# Allegro board 1156197-TDI_VU3P_QSFP28_CXP_V001_1023A-166-20241121_1644_PCB.brd (continued)
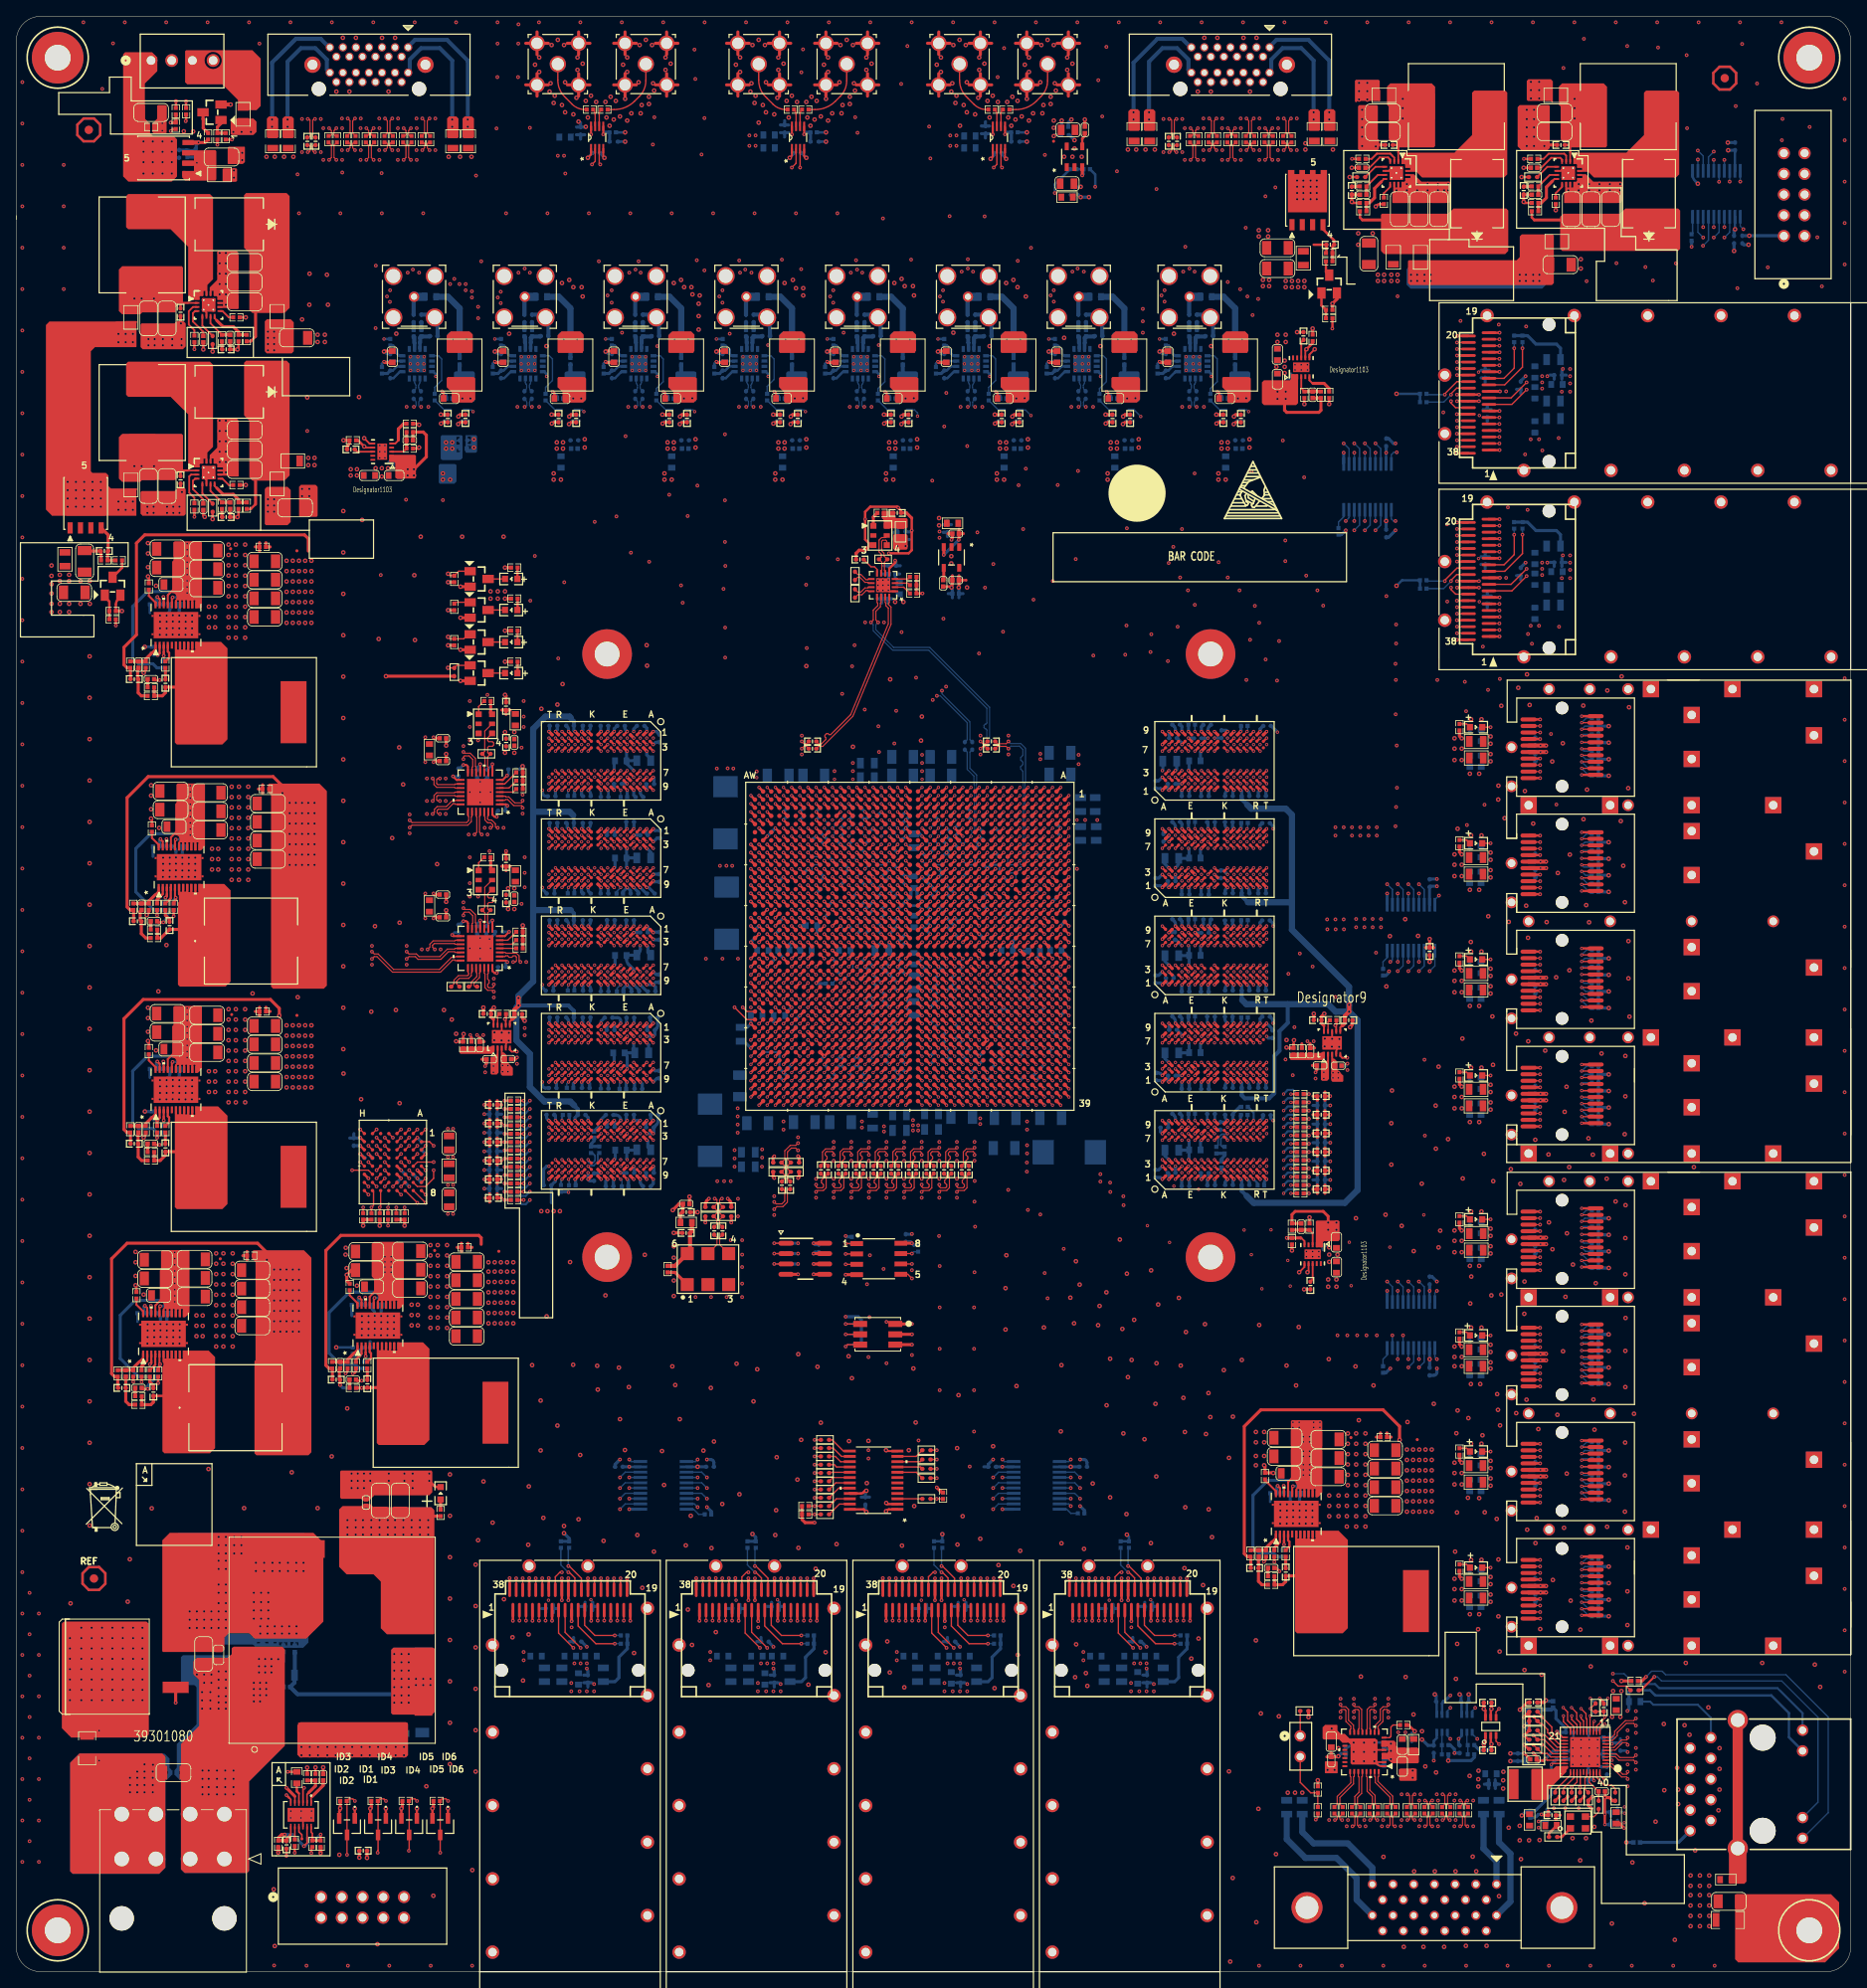
[diagram p0: board, top side]
## Routing (per net, layer and track width the routed paths; a pad name or vN(x,y) marks a point on that pad's centre or on a via; arc(x,y) is an arc through that point) (continued)
GND_EARTH: length 18.2
  BOTTOM w0.495: 46.91,34.06 34.49,34.06 C798.2 34.12,35.48 R427.1 34.16,36.44 C787.1
  vias: v2(46.35,38.99) v2(46.35,37.97) v2(46.35,36.96) v2(46.35,35.94) v2(46.35,34.92) v2(46.35,33.91) v2(46.35,33.02) v2(47.24,38.99) v2(47.24,37.97) v2(47.24,36.96) v2(47.24,35.94) v2(47.24,34.92) v2(47.24,33.91) v2(47.24,33.02) v2(48.13,38.99) v2(48.13,37.97) v2(48.13,36.96) v2(48.13,35.94) v2(48.13,34.92) v2(48.13,33.91) v2(48.13,33.02) v2(49.02,35.94) v2(49.02,35.18) v2(49.91,35.94) v2(49.91,35.18) v2(50.8,35.94) v2(50.8,35.18)
GND_FPGA_LAN: length 15.7
  TOP w1.27: J25.17 J25.18
VCC1V8: length 197.6
  TOP w0.229: U49.6 43.32,187.56 v2(42.67,188.21) ; v2(119.51,222.5) 119.77,222.77 U66.1 ; U51.6 158.61,198.49 v2(159.26,199.14) ; U64.1 95.14,222.9 v2(94.87,222.63) ; v2(70.1,222.63) 70.5,223.02 U65.1
  TOP w0.305: D4.2 39.61,19.67 39.73,19.79 v2(39.73,20.07) ; U1.AJ30 v1(100.1,115.36) ; U1.W9 v1(111.1,137.36) ; U1.D27 v1(126.1,118.36) ; U1.AV23 91.1,123.36 v1(91.1,123.36) ; U1.AR22 94.1,124.36 v1(94.1,124.36) ; v1(90.1,116.36) 90.1,116.36 U1.AW30 ; 185.57,31.9 R324.2 R322.2 v1(184.95,29) 185.47,28.48 R320.2 ; C589.1 108.78,190.17 v2(108.56,189.95) ; C540.1 54.43,190.17 v2(54.21,189.95) ; C609.1 135.96,190.17 v2(135.74,189.95) ; U1.N30 v1(117.1,115.36) ; U1.AA9 v1(108.1,136.36) ; U1.F31 v1(124.1,114.36) ; v2(180,32.26) 180.2,32.06 U41.6 ; C563.1 95.2,190.17 v2(94.97,189.95) ; v2(81.39,189.95) 81.61,190.17 C564.1 ; C610.1 149.55,190.17 v2(149.33,189.95) ; U1.AH23 v1(101.1,122.36) ; C538.1 68.02,190.17 v2(67.8,189.95) ; U1.A26 v1(129.1,119.36) ; U1.AR32 v1(94.1,113.36) ; v2(122.15,189.95) 122.37,190.17 C585.1 ; U1.P27 v1(116.1,118.36) ; U1.K29 v1(120.1,116.36) ; U1.L26 v1(119.1,119.36) ; U1.H25 v1(122.1,120.36) ; v2(104.27,56.44) 103.96,56.75 U63.24 ; C460.1 v2(173.35,123.95) ; D2.2 v2(47.23,20.03) ; U1.B23 v1(128.1,122.36) ; U1.AL24 v1(98.1,121.36) ; U1.C30 v1(127.1,115.36) ; U1.AP25 v1(96.1,121.36) ; U1.AN28 v1(96.1,117.36) ; U1.AG26 v1(102.1,119.36) ; v1(100.1,118.36) 100.1,118.36 U1.AK27 ; U1.AF29 v1(103.1,116.36) ; U1.AT29 v1(93.1,116.36) ; D3.2 v2(43.42,20.03) ; D1.2 v2(51.04,20.03) ; U1.E24 v1(125.1,121.36) ; U1.AF8 v1(103.1,138.36) ; R368.2 v1(17.4,72.24) ; U1.J32 v1(121.1,113.36) ; U1.G28 v1(123.1,117.36)
  TOP w0.381: v2(30.73,87.38) 30.73,88.27 29.59,89.41 13.59,89.41 11.68,87.5 11.68,73.41 12.06,73.03 R358.2 12.45,71.69 C685.2 ; R20.2 51.16,20.15 v2(51.04,20.03) ; R28.1 R26.1 v2(42.55,91.57) ; v1(112.9,59.44) 113.52,58.82 R500.1 ; R18.2 43.54,20.15 v2(43.42,20.03) ; v1(184.91,31.24) 185.57,31.9 R326.2 ; R38.1 v1(87.69,91.95) ; R27.1 R24.1 v2(47.62,91.57) ; R34.1 v2(158.5,31.24) ; U6.8 v1(97.79,89.41) ; C627.1 v2(180,32.26) ; C7.1 v2(42.08,14.01) ; v1(95.89,97.41) 96.01,97.54 R43.2 ; v1(97.92,55.12) 96.75,55.12 96.37,55.5 R498.1 R499.1 ; R19.2 47.35,20.15 v2(47.23,20.03) ; R25.1 v2(44.58,91.57) ; U1.AM31 v1(97.1,115.36) ; R47.2 92.84,97.54 v1(92.96,97.41) ; U2.8 v1(109.86,89.41) ; R10.1 v2(45.34,159) ; U1.AU26 v1(92.1,120.36) ; U1.M23 v1(117.1,123.36) ; R39.1 v1(84.52,91.95) ; R17.2 v2(39.73,20.07)
  POWER10 w0.305: 102.62,116.84 103.1,116.36 v1(103.1,116.36)
  BOTTOM w0.305: v2(129.34,61.98) 129.33,61.97 U23.2 ; v2(67.8,189.95) 68.22,190.37 U25.6 ; U28.6 81.81,190.37 v2(81.39,189.95) ; C920.1 177.28,33.07 U69.1 ; v2(210.82,213.87) 210.81,213.88 U4.2 ; v2(108.56,189.95) 108.99,190.37 U32.6 ; C922.1 174.23,33.07 U70.1 ; U20.2 173.34,123.96 v2(173.35,123.95) ; C884.1 95.29,223.05 v2(94.87,222.63) ; v2(83.57,61.98) 83.56,61.97 U22.2 ; R549.1 v2(99.31,224.61) ; U24.6 54.63,190.37 v2(54.21,189.95) ; v2(122.15,189.95) 122.58,190.37 U33.6 ; U36.6 149.75,190.37 v2(149.33,189.95) ; R557.1 v2(123.95,224.61) ; v2(94.97,189.95) 95.4,190.37 U29.6 ; U37.6 136.17,190.37 v2(135.74,189.95) ; v2(119.51,222.5) 119.93,222.92 C888.1 ; v2(70.1,222.63) 70.1,222.67 C886.1 ; R311.2 v3(193.07,33.56) ; 73.79,224.61 v2(74.68,224.61)
  BOTTOM w0.356: U19.2 173.34,75.19 v2(173.35,75.18) ; U21.2 168.01,178.06 v2(168.02,178.05)
  BOTTOM w0.381: v2(183.26,25.85) C628.1 185.16,25.85 L64.1 ; v1(98.1,121.36) 98.17,121.28 R45.1 ; R244.1 162.54,176.38 v1(163.07,176.91) ; v1(126.1,118.36) 125.6,117.86 C23.1 ; C1.1 100.6,122.86 v1(101.1,122.36) ; v1(101.73,80.39) 103.27,80.39 103.65,80.01 R55.1 R56.1 R57.1 ; C33.1 93.43,125.03 v1(94.1,124.36) ; C6.1 124.6,120.86 v1(125.1,121.36) ; v1(117.1,115.36) 116.6,114.86 C10.1 ; C9.1 90.1,116.36 v1(90.1,116.36) 89.66,115.91 C8.1 ; C24.1 92.9,116.56 v1(93.1,116.36) ; C34.1 v1(96.1,117.36) ; R222.1 168,122.28 168.38,122.66 v1(168.38,122.78) ; C21.1 127.6,121.86 v1(128.1,122.36) ; R253.1 85.24,56.49 v1(84.71,57.02) ; C518.1 v2(129.34,61.98) ; R603.1 175.66,25.93 v2(175.64,25.91) 178.44,25.91 178.84,26.31 R601.1 ; R13.1 117.62,138.84 v1(118.1,138.36) 117.62,137.87 R11.1 ; C922.1 174.16,33.87 v2(173.99,34.04) ; v1(114.1,137.36) 114.58,136.87 R15.1 ; v1(114.1,137.36) R5.1 ; v1(114.1,137.36) 113.59,136.84 R2.1 ; v2(177.04,34.04) 177.2,33.87 C920.1 ; v1(123.1,117.36) U1.G28 C30.1 ; R53.1 v1(95.89,88.14) ; R32.1 v1(205.49,211.71) ; v2(104.27,56.44) 104.14,56.57 C878.1 ; v2(173.35,75.18) C436.1 ; R54.1 v1(95.89,86.87) ; C31.1 123.6,113.86 v1(124.1,114.36) ; C11.1 120.6,112.86 v1(121.1,113.36) ; R262.1 131.01,56.62 v1(130.48,57.15) ; v1(127.1,115.36) 127.6,114.86 C35.1 ; C25.1 210.69,213.74 v2(210.82,213.87) ; v1(168.53,74.04) 168,73.51 R188.1 ; R52.1 v1(95.89,89.41) ; v1(122.1,120.36) U1.H25 C29.1 ; R3.1 v1(111.1,137.36) ; C500.1 v2(83.57,61.98) ; R23.1 110.09,89.17 v1(109.86,89.41) 109.69,89.57 C12.1 ; v1(97.79,89.41) 97.96,89.24 C43.1 ; v2(168.02,178.05) C482.1 ; C22.1 120.6,115.86 v1(120.1,116.36) ; v1(101.73,90.3) 101.83,90.19 R22.1
  vias: v1(52.94,96.56) v1(53.57,96.56) v1(91.48,100.93) v1(91.48,99.93) v1(91.46,98.81) v1(106.43,103.76) v1(106.43,103.12) v2(31.62,86.18) v2(31.62,84.91) v2(31.62,83.64) v2(31.62,82.37) v2(31.62,81.1) v2(31.62,79.83) v2(31.62,78.56) v2(32.38,86.18) v2(32.38,84.91) v2(32.38,83.64) v2(32.38,82.37) v2(32.38,81.1) v2(32.38,79.83) v2(32.38,78.56) v2(33.15,86.18) v2(33.15,84.91) v2(33.15,83.64) v2(33.15,82.37) v2(33.15,81.1) v2(33.15,79.83) v2(33.15,78.56) v2(33.91,86.18) v2(33.91,84.91) v2(33.91,83.64) v2(33.91,82.37) v2(33.91,81.1) v2(33.91,79.83) v2(33.91,78.56) v2(34.67,86.18) v2(34.67,84.91) v2(34.67,83.64) v2(34.67,82.37) v2(34.67,81.1) v2(34.67,79.83) v2(34.67,78.56) v2(41.02,184.4) v2(41.02,183.64) v2(41.78,184.4) v2(41.78,183.64) v2(154.69,200.91) v2(154.69,200.03) v2(155.7,200.91) v2(155.7,200.03)
VCC3V3: length 319
  TOP w0.229: U50.7 158.5,85.99 v2(158.37,85.85) ; U50.6 158,86.5 v2(157.35,85.85)
  TOP w0.305: R312.2 v1(189.26,21.49) ; C860.1 51.31,132.21 v1(51.18,132.33) ; v1(18.95,225.91) 19.18,226.14 19.53,226.14 R586.1 ; R329.2 v1(192.3,21.49) ; C871.1 51.31,151.38 v1(51.18,151.51) ; v2(180,27.94) 180.2,28.14 U41.1 ; R578.1 170.76,30.28 v2(171.53,29.51) ; R328.2 v1(190.27,21.49)
  TOP w0.381: v2(177.29,122.88) 177.02,123.16 R241.2 ; v2(177.29,108.63) 177.02,108.91 R240.2 ; C626.2 v2(180,27.94) ; R203.2 177.02,48.5 v2(177.29,48.23) ; R242.2 177.02,137.41 v2(177.29,137.13) ; v2(177.29,62.48) 177.02,62.75 R204.2 ; 168.12,66.12 R380.1 168.63,65.62 ; v2(177.29,151.38) 177.02,151.66 R243.2 ; L70.1 196.65,18.18 v3(197.21,17.63) ; R205.2 177.02,77 v2(177.29,76.73) ; R50.1 v2(59.94,164.59) ; L4.2 81.47,92.99 C41.1 81.77,93.29 C42.1 81.28,94.23 v2(80.52,93.47) ; R206.2 177.02,91.25 v2(177.29,90.98) ; R51.1 v2(59.94,172.34) ; R330.1 v2(196.88,35.69) ; R406.1 v2(59.94,168.53) ; v2(169.67,65.28) 169.67,66.93 167.64,68.96 152.65,68.96 150.62,66.93 150.62,51.31 151,50.93 R370.2 151.42,50.89 C700.2 ; R7.1 v2(59.94,160.78)
  ART14 w0.762: v2(67.18,53.82) v2(67.18,54.71) 67.18,64.43 69.65,66.9 69.65,74.27 79.63,84.25 79.63,91.19 80.52,92.08 v2(80.52,93.47)
  BOTTOM w0.305: R266.1 R265.1 v2(113.58,53.7) ; U69.6 177.28,28.94 v1(176.91,28.57) ; C923.2 173.86,28.32 174.23,28.69 U70.6 ; R270.1 R269.1 136.47,53.4 v2(136.22,53.64) ; v1(168.02,186.44) 168.01,186.43 U21.19 ; R252.1 R251.1 169.97,170.78 v2(169.29,170.1) ; C26.1 210.81,223.54 U4.19 ; U19.19 173.34,83.56 v1(173.35,83.57) ; v1(75.18,61.98) 75.19,61.97 U22.19 ; R315.2 194.84,33.18 v3(195.23,33.56) ; R248.1 R247.1 v2(169.29,193.66) ; U23.19 120.97,61.97 v1(120.95,61.98)
  BOTTOM w0.356: C461.1 173.34,133.12 U20.19
  BOTTOM w0.381: R191.1 R190.1 R189.1 ; R191.1 R192.1 R194.1 ; R191.1 v2(195.32,76.19) ; L36.1 119.19,35.6 119.68,36.09 119.68,38.61 120.72,39.64 R263.1 R264.1 ; v2(195.33,90.44) R199.1 ; R199.1 R200.1 R202.1 ; R199.1 R198.1 R197.1 ; R226.1 R227.1 R228.1 ; R226.1 R225.1 R224.1 v2(195.32,132.53) ; R226.1 v2(195.32,134.56) ; R182.1 R183.1 R185.1 ; R182.1 R181.1 R180.1 ; R182.1 v2(195.33,61.94) ; L26.1 189.4,176.39 188.91,176.88 186.39,176.88 185.36,177.92 R249.1 R250.1 ; C503.1 v1(75.18,61.98) ; C27.1 v2(212.56,213.07) 216.78,213.07 J2.1 ; R223.1 R220.1 R219.1 ; R223.1 v2(195.33,124.38) ; R223.1 R221.1 ; R210.1 R209.1 R213.1 ; R210.1 R211.1 R214.1 ; R210.1 v2(195.33,108.1) ; 187.22,18.48 C632.1 187.73,17.95 ; R259.1 R258.1 97.84,39.64 96.8,38.61 96.8,36.09 96.31,35.6 L33.1 ; v2(195.33,146.78) R232.1 R233.1 R234.1 ; R217.1 R218.1 R219.1 ; R217.1 v2(195.33,120.31) ; R217.1 R216.1 R215.1 v2(195.33,118.28) ; R189.1 v2(195.32,74.16) ; R189.1 R187.1 R186.1 v2(195.32,72.13) ; R170.1 R173.1 R172.1 v2(195.33,43.63) ; R170.1 R174.1 R175.1 194.06,47.69 ; R170.1 v2(195.33,45.66) ; R268.1 R267.1 143.61,39.64 142.57,38.61 142.57,36.09 142.08,35.6 L38.1 ; C26.1 v2(209.97,223.56) ; v2(67.18,53.82) 67.81,53.19 R256.1 R257.1 ; R201.1 R202.1 ; R202.1 v2(195.33,92.47) ; 194.06,49.72 R177.1 R171.1 194.06,47.69 ; 194.06,49.72 v2(195.33,49.72) ; 194.06,49.72 R176.1 ; 108.05,175.32 C853.1 107.52,175.85 ; R193.1 R194.1 ; R194.1 v2(195.32,78.22) ; R185.1 R184.1 ; R185.1 v2(195.33,63.97) ; R219.1 v2(195.33,122.34) ; R212.1 R214.1 ; R214.1 v2(195.33,110.13) ; R255.1 R254.1 74.95,39.64 73.91,38.61 73.91,36.09 73.42,35.6 L29.1 ; v1(173.35,83.57) C437.1 ; R234.1 R235.1 R236.1 ; R234.1 v2(195.33,148.81) ; C919.2 176.91,27.9 v1(176.91,28.57) ; C461.1 173.44,133.22 v1(174.24,133.22) ; 115.82,34.94 C513.1 ; C513.1 115.32,35.47 ; C513.1 116.33,35.47 ; C889.2 171.7,28.75 ; C889.2 171.17,29.29 ; C889.2 171.17,28.22 ; C505.1 93.47,35.47 ; C505.1 92.96,34.94 ; C505.1 92.46,35.47 ; R239.1 R237.1 R236.1 ; R239.1 R238.1 ; R239.1 v2(195.33,152.88) ; C519.1 v1(120.95,61.98) ; C761.1 114.71,177.61 ; C761.1 113.69,177.61 ; C761.1 114.2,178.14 ; R213.1 R208.1 R207.1 v2(195.33,104.03) ; R213.1 v2(195.33,106.06) ; 196.92,18.06 C639.1 196.39,18.6 ; 69.6,35.47 C495.1 ; C495.1 70.1,34.94 ; C495.1 70.61,35.47 ; R228.1 v2(195.32,136.6) ; R228.1 R229.1 R231.1 ; C487.1 189.57,173.48 ; C487.1 190.11,172.97 ; C487.1 189.57,172.47 ; 107.46,168.5 C854.1 106.93,167.97 ; v2(195.33,86.37) R195.1 R196.1 R197.1 ; 109.07,175.25 C852.1 109.58,175.78 ; 194.06,47.69 v2(195.33,47.69) ; R180.1 R179.1 R178.1 v2(195.33,57.87) ; R180.1 v2(195.33,59.91) ; 138.18,35.47 C523.1 ; C523.1 138.68,34.94 ; C523.1 139.19,35.47 ; C477.1 189.57,196.47 ; C477.1 189.57,195.45 ; C477.1 190.11,195.96 ; R246.1 R245.1 185.36,200.8 186.39,199.77 188.91,199.77 189.4,199.27 L23.1 ; v1(168.02,186.44) C485.1 ; R261.1 R260.1 90.7,53.32 v2(90.3,53.72) ; v2(172.42,28.5) 173.14,27.77 C923.2 ; R197.1 v2(195.33,88.41) ; v2(195.33,150.85) R236.1 ; R231.1 v2(195.32,138.63) ; R231.1 R230.1
  vias: v1(50.16,151.51) v1(50.16,132.33) v1(66.42,222.88) v1(67.18,222.88) v1(68.07,35.43) v1(68.07,34.42) v1(69.09,34.42) v1(69.98,34.42) v1(70.87,35.31) v1(70.87,34.42) v1(89.92,225.37) v1(90.68,225.37) v1(90.96,35.43) v1(90.96,34.42) v1(91.97,34.42) v1(92.86,34.42) v1(93.75,35.31) v1(93.75,34.42) v1(113.84,35.43) v1(113.84,34.42) v1(114.55,224.1) v1(114.86,34.42) v1(115.32,224.1) v1(115.75,34.42) v1(116.64,35.31) v1(116.64,34.42) v1(136.73,35.43) v1(136.73,34.42) v1(137.74,34.42) v1(138.63,34.42) v1(139.52,35.31) v1(139.52,34.42) v1(186.72,18.45) v1(186.72,17.68) v1(189.57,193.92) v1(189.57,171.04) v1(189.69,196.72) v1(189.69,173.83) v1(190.58,196.72) v1(190.58,195.83) v1(190.58,194.94) v1(190.58,193.92) v1(190.58,173.83) v1(190.58,172.94) v1(190.58,172.06) v1(190.58,171.04) v2(58.17,169.42) v2(58.17,168.53) v2(59.05,169.42) v2(59.05,168.53) v2(59.94,169.42) v2(59.94,152.15) v2(60.33,132.97) v2(61.09,152.15) v2(61.09,132.97) v2(107.8,168.12) v2(108.05,174.98) v2(108.81,168.12) v2(109.07,174.98) v2(113.18,178.41) v2(113.18,177.52) v2(160.91,84.96) v2(160.91,84.07) v2(161.93,84.96) v2(161.93,84.07) v2(170.56,64.08) v2(170.56,62.81) v2(170.56,61.54) v2(170.56,60.27) v2(170.56,59) v2(170.56,57.73) v2(170.56,56.46) v2(171.32,64.08) v2(171.32,62.81) v2(171.32,61.54) v2(171.32,60.27) v2(171.32,59) v2(171.32,57.73) v2(171.32,56.46) v2(172.09,64.08) v2(172.09,62.81) v2(172.09,61.54) v2(172.09,60.27) v2(172.09,59) v2(172.09,57.73) v2(172.09,56.46) v2(172.42,29.51) v2(172.85,64.08) v2(172.85,62.81) v2(172.85,61.54) v2(172.85,60.27) v2(172.85,59) v2(172.85,57.73) v2(172.85,56.46) v2(173.61,64.08) v2(173.61,62.81) v2(173.61,61.54) v2(173.61,60.27) v2(173.61,59) v2(173.61,57.73) v2(173.61,56.46) v2(176.4,151.38) v2(176.4,150.11) v2(176.4,148.72) v2(176.4,137.13) v2(176.4,135.86) v2(176.4,134.47) v2(176.4,122.88) v2(176.4,121.61) v2(176.4,120.22) v2(176.4,108.63) v2(176.4,107.36) v2(176.4,105.97) v2(176.4,90.98) v2(176.4,89.71) v2(176.4,88.31) v2(176.4,76.73) v2(176.4,75.46) v2(176.4,74.31) v2(176.4,62.48) v2(176.4,61.21) v2(176.4,59.81) v2(176.4,48.23) v2(176.4,46.96) v2(176.4,45.56) v2(177.29,150.11) v2(177.29,148.72) v2(177.29,135.86) v2(177.29,134.47) v2(177.29,121.61) v2(177.29,120.22) v2(177.29,107.36) v2(177.29,105.97) v2(177.29,89.71) v2(177.29,88.31) v2(177.29,75.46) v2(177.29,74.31) v2(177.29,61.21) v2(177.29,59.81) v2(177.29,46.96) v2(177.29,45.56) v3(197.23,18.29)
VCC5V: length 1.7
  BOTTOM w0.381: R426.2 v2(128.22,227.2) ; v2(127.25,225.3) 127.38,225.43 C781.1
  vias: v1(89.92,224.1) v1(90.68,224.1) v1(114.55,225.37) v1(115.32,225.37) v2(127.25,227.2) v2(127.25,226.31)
VCC12V: length 23.8
  TOP w0.254: U46.19 156,60.11 156.85,60.96 C701.1 ; 19.81,170 19.64,170 18.58,168.95 U48.19 ; C654.1 44.41,83.91 43.35,82.84 U43.19 ; 20.19,140.29 20.02,140.29 18.96,139.23 U47.19 ; C671.1 18.58,112.01 U44.19 ; U45.19 17.06,81.78 C686.1
  TOP w0.381: v2(50.52,55.42) 51.01,55.91 R429.1
  BOTTOM w0.305: R345.1 v2(39.24,76.63)
  BOTTOM w0.381: C772.1 130.26,218.1 v2(130.56,217.81) v2(131.57,217.81) ; C772.1 129.26,218.1 ; C772.1 129.77,217.56
  vias: v1(19.43,88.29) v1(19.43,87.53) v1(19.43,86.77) v1(19.43,86) v1(19.43,85.24) v1(19.43,84.48) v1(19.43,83.72) v1(19.43,82.96) v1(19.43,82.22) v1(20.95,175.29) v1(20.95,174.52) v1(20.95,173.76) v1(20.95,173) v1(20.95,172.24) v1(20.95,171.48) v1(20.95,170.71) v1(20.95,169.95) v1(20.95,169.22) v1(20.95,118.26) v1(20.95,117.5) v1(20.95,116.74) v1(20.95,115.98) v1(20.95,115.21) v1(20.95,114.45) v1(20.95,113.69) v1(20.95,112.93) v1(20.95,112.19) v1(21.34,145.57) v1(21.34,144.81) v1(21.34,144.04) v1(21.34,143.28) v1(21.34,142.52) v1(21.34,141.76) v1(21.34,141) v1(21.34,140.23) v1(21.34,139.5) v1(45.21,87.76) v1(45.21,87.12) v1(45.21,86.49) v1(45.21,85.85) v1(45.97,87.76) v1(45.97,87.12) v1(45.97,86.49) v1(45.97,85.85) v1(156.59,67.44) v1(156.59,66.8) v1(157.35,67.44) v1(157.35,66.8) v1(157.86,65.66) v1(157.86,65.02) v1(157.86,63.88) v1(157.86,63.25) v1(157.86,62.23) v1(157.86,61.59) v1(157.86,60.96) v1(158.62,65.66) v1(158.62,65.02) v1(158.62,63.88) v1(158.62,63.25) v1(158.62,62.23) v1(158.62,61.59) v1(158.62,60.96) v1(159.13,67.44) v1(159.13,66.8) v1(159.89,67.44) v1(159.89,66.8) v2(4.32,172.59) v2(4.32,171.32) v2(4.32,170.31) v2(4.32,169.16) v2(4.32,167.89) v2(4.32,166.88) v2(5.33,171.45) v2(5.33,170.69) v2(5.33,167.89) v2(5.33,166.88) v2(6.48,171.45) v2(6.48,170.69) v2(6.48,167.89) v2(6.48,166.88) v2(26.7,221.08) v2(26.7,220.19) v2(40.61,55.42) v2(40.61,54.53) v2(40.61,53.64) v2(41.63,55.42) v2(41.63,54.53) v2(41.63,53.64) v2(42.52,55.42) v2(42.52,54.53) v2(42.52,53.64) v2(43.54,55.42) v2(43.54,54.53) v2(43.54,53.64) v2(44.55,55.42) v2(44.55,54.53) v2(44.55,53.64) v2(45.57,55.42) v2(45.57,54.53) v2(45.57,53.64) v2(46.46,55.42) v2(46.46,54.53) v2(46.46,53.64) v2(47.47,55.42) v2(47.47,54.53) v2(47.47,53.64) v2(48.49,55.42) v2(48.49,54.53) v2(48.49,53.64) v2(49.5,55.42) v2(49.5,54.53) v2(49.5,53.64) v2(50.52,54.53) v2(50.52,53.64) v2(155.7,207.52) v2(155.7,206.76) v2(156.46,207.52) v2(156.46,206.76) v2(157.23,207.52) v2(157.23,206.76) v2(157.99,207.52) v2(157.99,206.76)
VCC12V_BST1: length 13.4
  TOP w0.229: 21.04,184.25 U56.2
  TOP w0.279: 20.42,184.25 21.04,184.25
  TOP w0.305: C810.1 20.14,184.28 ; R439.2 v1(21.84,178.56)
  ART16 w0.381: v1(21.84,178.56) 21.84,182.88 20.45,184.28 17.4,184.28 v2(16.89,184.78)
  vias: v2(14.48,184.78) v2(15.37,184.78)
VCC12V_BST2: length 13.3
  TOP w0.229: 21.04,204.82 U57.2
  TOP w0.279: 20.42,204.82 21.04,204.82
  TOP w0.305: C825.1 20.14,204.8 ; R447.2 v1(21.84,199.14)
  ART16 w0.381: v2(16.89,205.36) 17.02,205.23 19.94,205.23 21.84,203.33 v1(21.84,199.14)
  vias: v2(14.48,205.36) v2(15.37,205.36)
VCC12V_BST3: length 15.6
  TOP w0.229: 169.51,223.31 U58.2
  TOP w0.279: 169.51,223.93 169.51,223.31
  TOP w0.305: C835.1 169.52,224.21 ; R454.2 v1(163.83,222.5)
  ART16 w0.508: v2(170.05,229.87) 168.78,228.6 168.78,223.39 167.89,222.5 v1(163.83,222.5)
  vias: v2(170.05,228.73) v2(170.05,227.46)
VCC12V_BST4: length 15.8
  TOP w0.229: 190.6,223.31 U59.2
  TOP w0.279: 190.6,223.93 190.6,223.31
  TOP w0.305: R460.2 v1(184.91,222.5) ; C847.1 190.7,224.21
  ART16 w0.508: v2(191.13,229.87) 190.5,229.87 189.36,228.73 189.36,223.39 188.47,222.5 v1(184.91,222.5)
  vias: v2(191.13,228.73) v2(191.13,227.46)
VCC12V_IN: length 3.5
  TOP w0.203: U55.3 35.16,22.43 v1(35.3,22.56)
  TOP w0.305: R432.2 v1(34.15,14.61) ; R434.2 v2(35.68,25.05)
  vias: v2(21.26,44.22) v2(21.26,43.21) v2(21.26,42.19) v2(22.15,44.22) v2(22.15,43.21) v2(22.15,42.19) v2(23.04,44.22) v2(23.04,43.21) v2(23.04,42.19) v2(23.93,44.22) v2(23.93,43.21) v2(23.93,42.19) v2(24.82,53.37) v2(24.82,52.35) v2(24.82,51.33) v2(24.82,50.44) v2(24.82,49.43) v2(24.82,47.52) v2(24.82,46.51) v2(24.82,45.24) v2(24.82,44.22) v2(24.82,43.21) v2(24.82,42.19) v2(25.7,53.37) v2(25.7,52.35) v2(25.7,51.33) v2(25.7,50.44) v2(25.7,49.43) v2(25.7,47.52) v2(25.7,46.51) v2(25.7,45.24) v2(25.7,44.22) v2(25.7,43.21) v2(25.7,42.19) v2(26.72,53.37) v2(26.72,52.35) v2(26.72,51.33) v2(27.61,53.37) v2(27.61,52.35) v2(27.61,51.33) v2(29.13,46.51) v2(29.13,45.36) v2(29.13,44.35) v2(29.13,43.33) v2(29.39,50.19) v2(29.39,49.17) v2(29.92,42.39) v2(29.92,41.5) v2(30.02,46.51) v2(30.02,45.36) v2(30.02,44.35) v2(30.02,43.33) v2(30.4,50.19) v2(30.4,49.17) v2(30.81,42.39) v2(30.81,41.5) v2(30.91,46.51) v2(30.91,45.36) v2(30.91,44.35) v2(30.91,43.33) v2(31.42,50.19) v2(31.42,49.17) v2(31.7,42.39) v2(31.7,41.5) v2(32.31,50.19) v2(32.31,49.17) v2(32.59,42.39) v2(32.59,41.5) v2(33.32,50.19) v2(33.32,49.17) v2(33.48,42.39) v2(33.48,41.5) v2(34.34,50.19) v2(34.34,49.17) v2(34.37,42.39) v2(34.37,41.5) v2(35.23,50.19) v2(35.23,49.17)
VCC12V_IN_CON: length 29.2
  TOP w0.203: U55.6 33.67,21.14 33.46,21.35
  TOP w0.305: v1(33.14,21.67) 33.46,21.35
  TOP w0.508: R433.2 v1(32.12,14.61) ; R435.1 v1(37.33,14.53)
  ART03 w0.305: v1(10.16,25.91) 10.16,26.8 10.87,27.51 25.12,27.51 30.83,21.8 33.01,21.8 v1(33.14,21.67)
  vias: v2(13.94,23.8) v2(13.94,22.91) v2(13.94,22.02) v2(14.83,24.56) v2(14.83,23.8) v2(14.83,22.91) v2(14.83,22.02) v2(15.72,25.45) v2(15.72,24.56) v2(15.72,23.8) v2(15.72,22.91) v2(15.72,22.02) v2(16.74,24.56) v2(16.74,23.8) v2(16.74,22.91) v2(16.74,22.02) v2(16.76,25.4)
VCC_1V8_EN: length 2.3
  TOP w0.279: U45.2 16.06,74.99 15.62,74.55
  TOP w0.381: R371.1 15.37,74.3 15.62,74.55
VCC_1V8_GOOD: length 164.4
  TOP w0.279: 16.56,74.96 U45.3
  TOP w0.305: 16.56,74.96 16.56,74.72 v1(16.38,74.55) ; R372.2 v1(154.31,50.29)
  ART03 w0.381: v1(154.31,50.29) 149.48,55.12 106.05,55.12 104.78,53.85 95.1,53.85 93.75,55.19 73.48,55.19 70.26,58.42 40.54,58.42 38.66,60.3 18.31,60.3 12.04,66.57 12.04,73.1 13.49,74.55 v1(16.38,74.55)
  BOTTOM w0.305: v1(16.38,74.55) 16.38,74.21 R367.2
VCC_3V3_EN: length 2.3
  TOP w0.279: 154.76,52.5 155,52.74 U46.2
  TOP w0.381: R372.1 154.31,52.04 154.76,52.5
VCC_3V3_GOOD: length 202.2
  TOP w0.279: U46.3 155.5,52.86
  TOP w0.305: 155.5,52.86 v1(155.5,52.44)
  TOP w0.381: R381.2 v1(17.27,102.36)
  ART03 w0.381: v1(155.5,52.44) 155.5,50.59 154.31,49.4 151.79,49.4 148.69,52.5 145.92,52.5 144.88,53.54 137.87,53.54 136.73,52.4 135.74,52.4 134.67,53.47 120.19,53.47 118.9,52.17 117.63,52.17 116.56,53.24 114.86,53.24 113.92,52.3 111.38,52.3 110.41,53.26 107.7,53.26 105.49,51.05 95.05,51.05 93.57,52.53 88.57,52.53 87.83,53.26 81.46,53.26 80.57,52.37 74.09,52.37 72.09,54.38 71.42,54.38 68.88,56.92 39.12,56.92 37.62,58.42 17.5,58.42 10.03,65.89 10.03,92.02 16.23,98.22 16.23,101.32 v1(17.27,102.36)
  BOTTOM w0.381: R383.2 155.5,51.91 v1(155.5,52.44)
VDD10: length 4.1
  TOP w0.305: C638.1 185.32,33.05 v2(184.43,32.16)
  BOTTOM w0.381: C637.1 181.4,23.55 ; C637.1 181.4,22.48 ; C637.1 181.94,23.02
  BOTTOM w0.495: L72.1 v2(184.43,32.16)
  vias: v2(182.4,24.54) v2(182.37,23.5) v2(182.37,22.48) v2(195.86,34.45) v2(196.88,34.45)
100M_N: length 2.9
  TOP w0.14: U5.5 85.94,89.24 85.94,90.12 C37.2
100M_P: length 2.9
  TOP w0.14: C36.2 86.27,90.12 86.27,89.24 U5.4
125M_N: length 6.7
  TOP w0.14: U61.10 57.4,128.67 57.48,128.75 57.48,129.97 R476.2 57.45,130.61 57.45,133.08 X2.5
125M_P: length 6.6
  TOP w0.14: U61.9 57.9,128.67 57.81,128.75 57.81,129.95 R476.1 57.96,130.3 57.82,130.44 57.82,131.09 57.96,131.23 58.41,131.23 58.55,131.37 58.55,131.65 58.41,131.79 57.96,131.79 57.82,131.93 57.82,132.27 X2.4
156M25_N: length 6.7
  TOP w0.14: X3.5 57.45,152.26 57.45,149.78 R483.2 57.48,149.15 57.48,147.93 57.4,147.85 U62.10
156M25_P: length 6.6
  TOP w0.14: U62.9 57.9,147.84 57.81,147.93 57.81,149.12 R483.1 57.96,149.48 57.82,149.62 57.82,150.27 57.96,150.41 58.41,150.41 58.55,150.55 58.55,150.83 58.41,150.97 57.96,150.97 57.82,151.11 57.82,151.45 X3.4
CHA_1V25_CXP1: length 7.7
  TOP w0.305: v2(52.1,190.02) 52.18,190.02 52.33,190.17 C541.2
  TOP w0.381: C535.2 45.21,197.51 v3(45.1,197.62)
  BOTTOM w0.305: v2(52.1,190.02) 52.45,190.37 U24.1 ; U26.15 45.94,197.68 C539.2 v3(45.1,197.62) 44.85,197.36 L41.2 ; U26.8 51.15,196.38 51.45,196.08 v3(51.45,195.8) ; v3(45.1,200.39) 45.11,200.39 R274.2
  vias: v2(52.7,187.71) v2(52.7,186.94) v2(53.47,187.71) v2(53.47,186.94)
CHA_1V25_CXP2: length 7.7
  TOP w0.305: v2(65.68,190.02) 65.76,190.02 65.92,190.17 C536.2
  TOP w0.381: C533.2 58.8,197.51 v3(58.69,197.62)
  BOTTOM w0.305: R273.2 v3(58.69,200.39) ; L40.2 58.44,197.36 v3(58.69,197.62) C537.2 59.53,197.68 U27.15 ; U25.1 66.04,190.37 v2(65.68,190.02) ; v3(65.04,195.8) 65.04,196.08 64.74,196.38 U27.8
  vias: v2(66.29,187.71) v2(66.29,186.94) v2(67.06,187.71) v2(67.06,186.94)
CHA_1V25_CXP3: length 7.7
  TOP w0.305: v2(79.27,190.02) 79.35,190.02 79.51,190.17 C565.2
  TOP w0.381: C559.2 72.39,197.51 v3(72.28,197.62)
  BOTTOM w0.305: U30.8 78.33,196.38 78.63,196.08 v3(78.63,195.8) ; R284.2 72.28,200.39 v3(72.28,200.39) ; L47.2 72.03,197.36 v3(72.28,197.62) C562.2 73.11,197.68 U30.15 ; U28.1 79.63,190.37 v2(79.27,190.02)
  vias: v2(79.88,187.71) v2(79.88,186.94) v2(80.64,187.71) v2(80.64,186.94)
CHA_1V25_CXP4: length 7.7
  TOP w0.305: C560.2 93.1,190.17 92.94,190.02 v2(92.86,190.02)
  TOP w0.381: v3(85.87,197.62) 85.98,197.51 C557.2
  BOTTOM w0.305: L46.2 85.62,197.36 v3(85.87,197.62) C561.2 86.7,197.68 U31.15 ; R283.2 v3(85.87,200.39) ; v3(92.22,195.8) 92.22,196.08 91.92,196.38 U31.8 ; U29.1 93.22,190.37 v2(92.86,190.02)
  vias: v2(93.47,187.71) v2(93.47,186.94) v2(94.23,187.71) v2(94.23,186.94)
CHA_1V25_CXP5: length 7.7
  TOP w0.305: C587.2 106.69,190.17 106.53,190.02 v2(106.45,190.02)
  TOP w0.381: C583.2 99.57,197.51 v3(99.46,197.62)
  BOTTOM w0.305: U32.1 106.81,190.37 v2(106.45,190.02) ; v3(105.81,195.8) 105.81,196.08 105.51,196.38 U34.8 ; L53.2 99.21,197.36 v3(99.46,197.62) C586.2 100.29,197.68 U34.15 ; R294.2 99.46,200.39 v3(99.46,200.39)
  vias: v2(107.06,187.71) v2(107.06,186.94) v2(107.82,187.71) v2(107.82,186.94)
CHA_1V25_CXP6: length 7.7
  TOP w0.305: C588.2 120.28,190.17 120.12,190.02 v2(120.04,190.02)
  TOP w0.381: C581.2 113.16,197.51 v3(113.05,197.62)
  BOTTOM w0.305: U33.1 120.4,190.37 v2(120.04,190.02) ; R293.2 v3(113.05,200.39) ; U35.8 119.09,196.38 119.4,196.08 v3(119.4,195.8) ; U35.15 113.88,197.68 C584.2 v3(113.05,197.62) 112.8,197.36 L52.2
  vias: v2(120.65,187.71) v2(120.65,186.94) v2(121.41,187.71) v2(121.41,186.94)
CHA_1V25_CXP7: length 7.7
  TOP w0.305: C613.2 133.87,190.17 133.71,190.02 v2(133.63,190.02)
  TOP w0.381: v3(126.64,197.62) 126.74,197.51 C607.2
  BOTTOM w0.305: R304.2 126.64,200.39 v3(126.64,200.39) ; v3(132.99,195.8) 132.99,196.08 132.68,196.38 U38.8 ; U37.1 133.99,190.37 v2(133.63,190.02) ; U38.15 127.47,197.68 C611.2 v3(126.64,197.62) 126.38,197.36 L59.2
  vias: v2(134.24,187.71) v2(134.24,186.94) v2(135,187.71) v2(135,186.94)
CHA_1V25_CXP8: length 7.7
  TOP w0.305: C612.2 147.46,190.17 147.3,190.02 v2(147.22,190.02)
  TOP w0.381: v3(140.23,197.62) 140.33,197.51 C605.2
  BOTTOM w0.305: R303.2 v3(140.23,200.39) ; U39.15 141.06,197.68 C608.2 v3(140.23,197.62) 139.97,197.36 L58.2 ; v3(146.58,195.8) 146.58,196.08 146.27,196.38 U39.8 ; v2(147.22,190.02) 147.57,190.37 U36.1
  vias: v2(147.83,187.71) v2(147.83,186.94) v2(148.59,187.71) v2(148.59,186.94)
CHA_12V_FAN: length 1.1
  BOTTOM w0.381: C900.1 19.62,222.64 v2(19.08,222.1)
  vias: v2(15.6,224.64) v2(15.6,223.37) v2(15.6,222.1) v2(15.6,220.7) v2(16.74,224.64) v2(16.74,223.37) v2(16.74,222.1) v2(16.74,220.7) v2(17.93,224.64) v2(17.93,223.37) v2(17.93,222.1) v2(17.93,220.7) v2(19.08,224.64) v2(19.08,223.37) v2(19.08,220.7)
CHA_24V_1: length 5.6